# Altium PCB eRTM15_Baikal.PcbDoc (part 1 of 7) (continued)
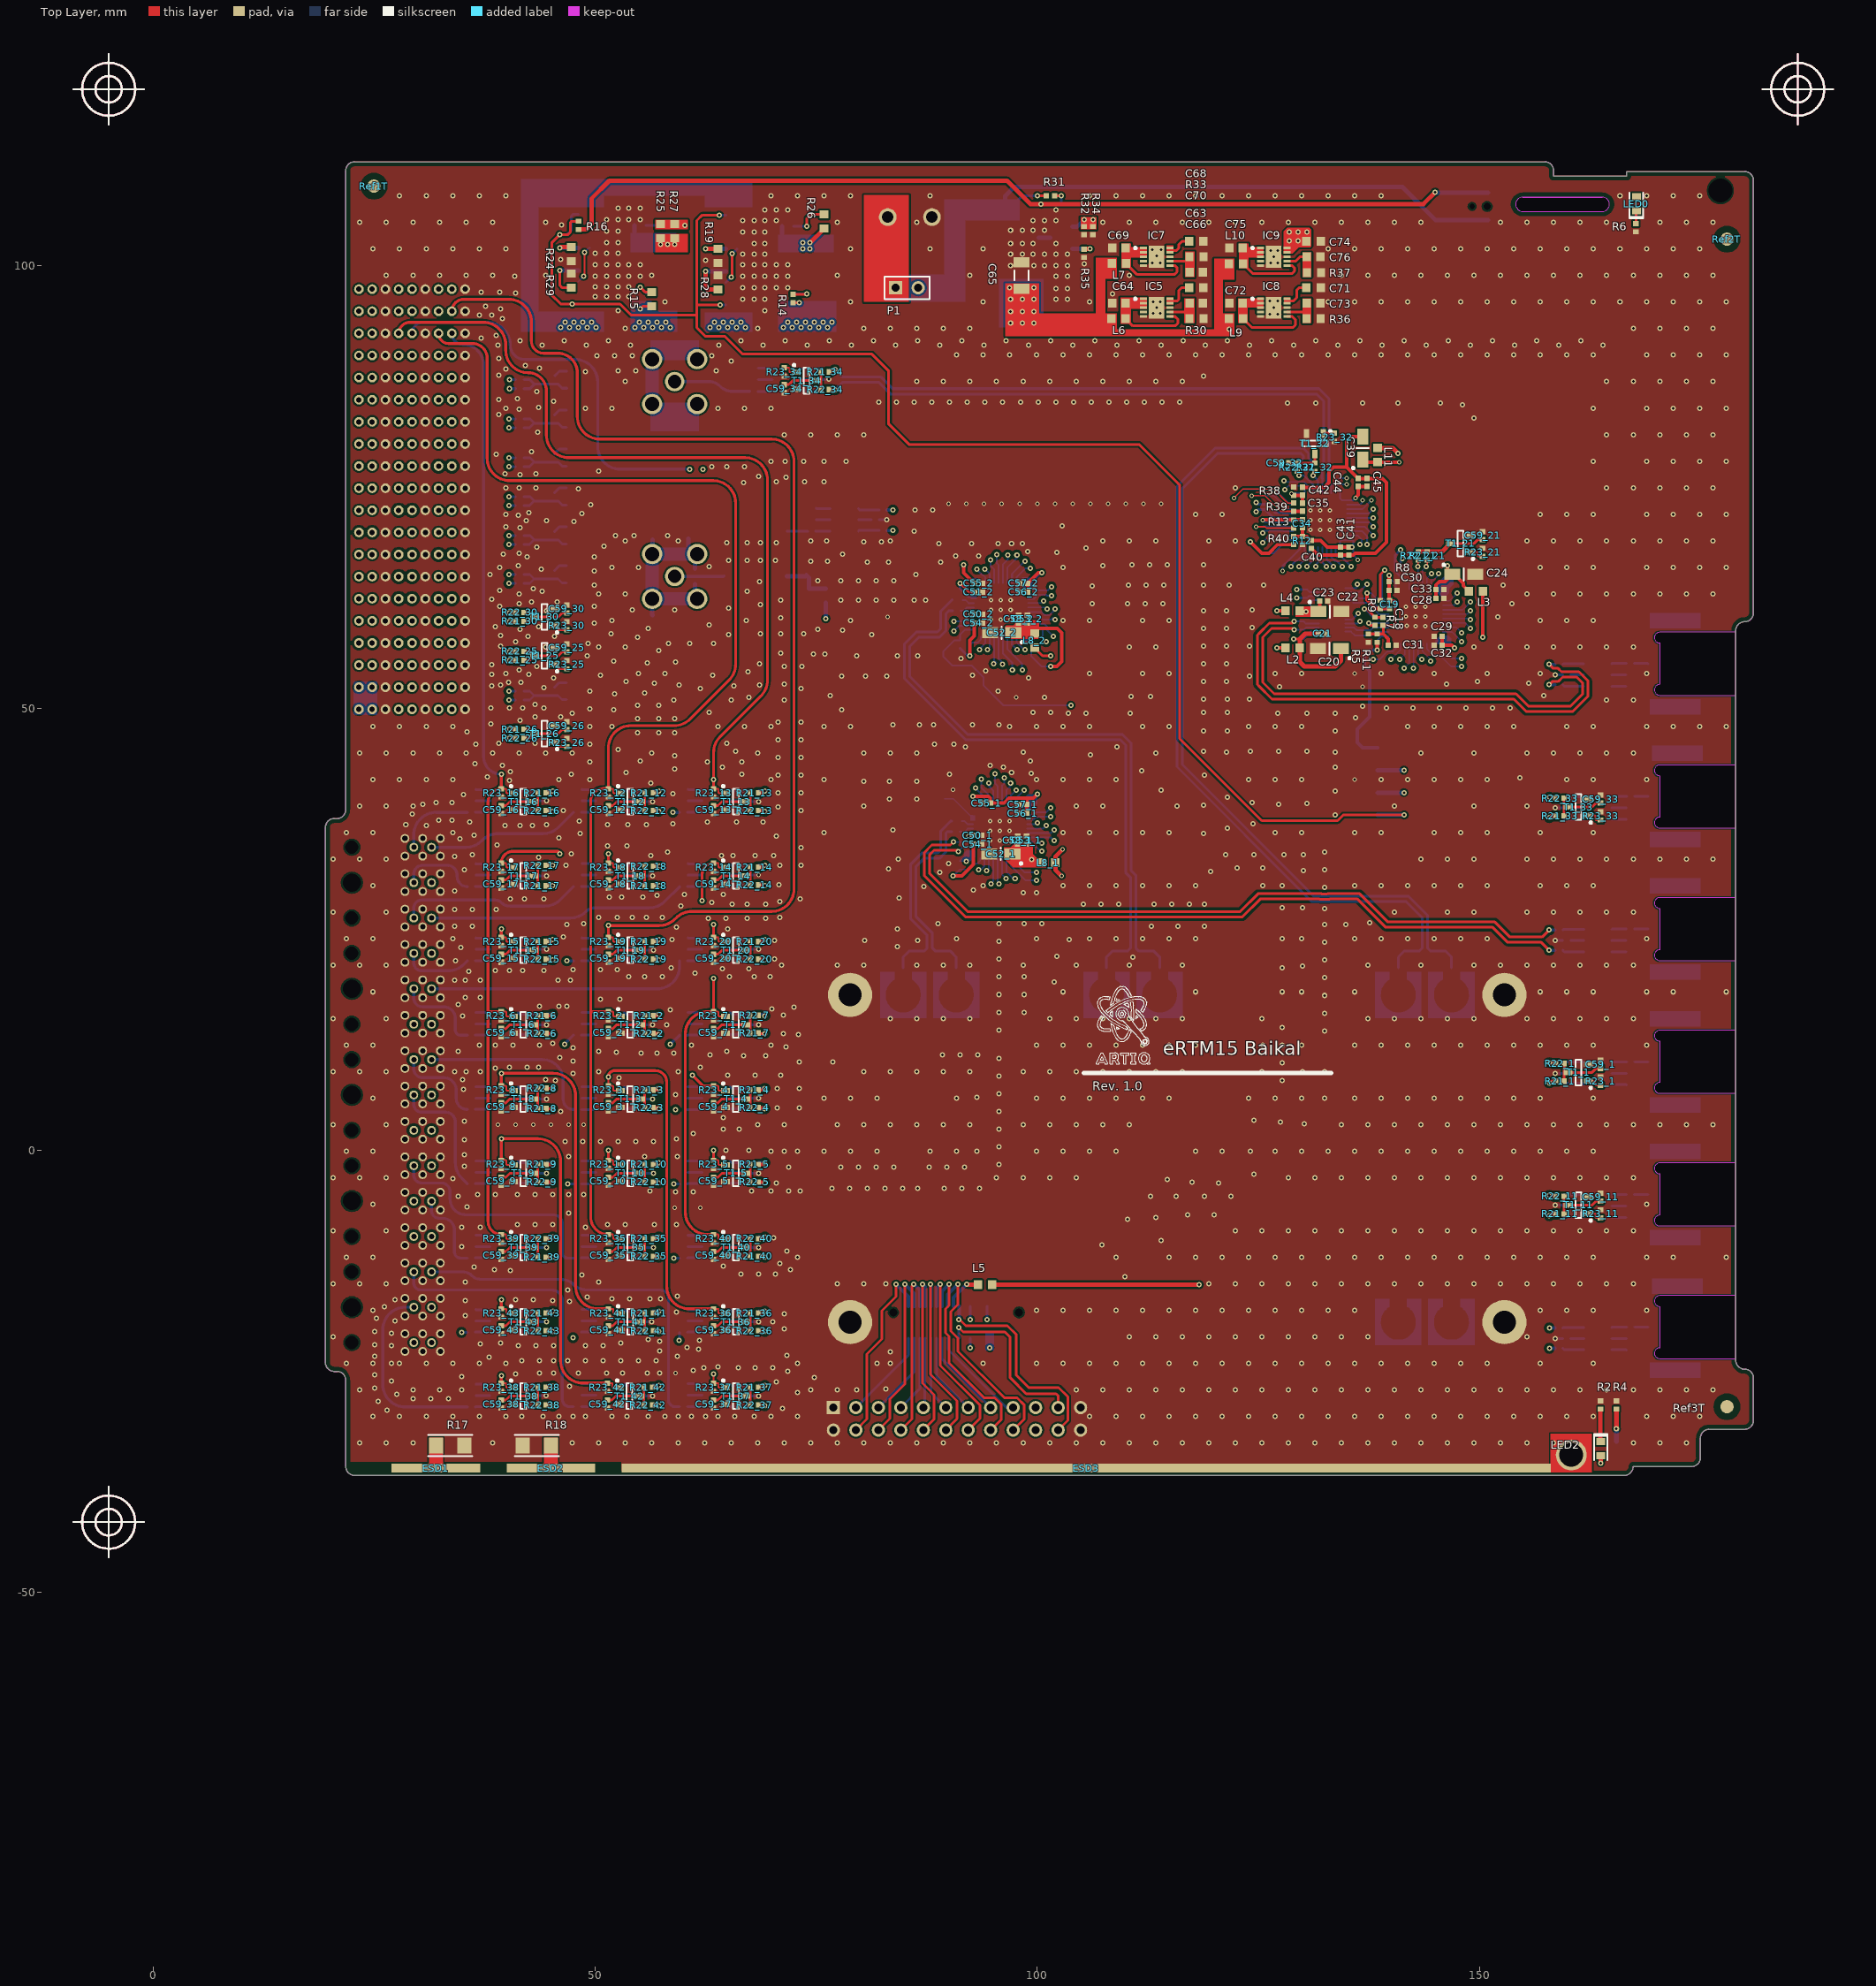
[diagram p0: Top Layer view]
## Design rules (kind name [scope] priority, off if disabled: settings) (continued)
RoomDefinition U_LvpeclTermWithCtrl37 [InComponentClass('U_LvpeclTermWithCtrl37')] p60: confinementstyle=ConfineIn formatcopy=FALSE lockcomponents=FALSE outline 62.9,-29.7 69,-29.7 69,-25.8 62.9,-25.8
RoomDefinition U_LvpeclTermWithCtrl36 [InComponentClass('U_LvpeclTermWithCtrl36')] p61: confinementstyle=ConfineIn formatcopy=FALSE lockcomponents=FALSE outline 62.9,-21.3 69,-21.3 69,-17.4 62.9,-17.4
RoomDefinition U_LvpeclTermWithCtrl35 [InComponentClass('U_LvpeclTermWithCtrl35')] p62: confinementstyle=ConfineIn formatcopy=FALSE lockcomponents=FALSE outline 51,-12.9 57.1,-12.9 57.1,-9 51,-9
RoomDefinition U_LvpeclTermWithCtrl34 [InComponentClass('U_LvpeclTermWithCtrl34')] p63: confinementstyle=ConfineIn formatcopy=FALSE lockcomponents=FALSE outline 70.9,85.1 77,85.1 77,89 70.9,89
RoomDefinition U_LvpeclTermWithCtrl33 [InComponentClass('U_LvpeclTermWithCtrl33')] p64: confinementstyle=ConfineIn formatcopy=FALSE lockcomponents=FALSE outline 164.2,40.7 158.1,40.7 158.1,36.8 164.2,36.8
RoomDefinition U_LvpeclTermWithCtrl32 [InComponentClass('U_LvpeclTermWithCtrl32')] p65: confinementstyle=ConfineIn formatcopy=FALSE lockcomponents=FALSE outline 128.5,82.33 128.5,76.23 132.4,76.23 132.4,82.33
RoomDefinition U_LvpeclTermWithCtrl25 [InComponentClass('U_LvpeclTermWithCtrl25')] p66: confinementstyle=ConfineIn formatcopy=TRUE lockcomponents=FALSE outline 47.3,57.8 39.5,57.8 39.5,53.9 47.3,53.9
RoomDefinition U_LvpeclTermWithCtrl21 [InComponentClass('U_LvpeclTermWithCtrl21')] p67: confinementstyle=ConfineIn formatcopy=FALSE lockcomponents=FALSE outline 150.87,70.5 144.77,70.5 144.77,66.6 150.87,66.6
RoomDefinition U_LvpeclTermWithCtrl20 [InComponentClass('U_LvpeclTermWithCtrl20')] p68: confinementstyle=ConfineIn formatcopy=FALSE lockcomponents=FALSE outline 62.9,20.7 69,20.7 69,24.6 62.9,24.6
RoomDefinition U_LvpeclTermWithCtrl19 [InComponentClass('U_LvpeclTermWithCtrl19')] p69: confinementstyle=ConfineIn formatcopy=FALSE lockcomponents=FALSE outline 51,20.7 57.1,20.7 57.1,24.6 51,24.6
RoomDefinition U_LvpeclTermWithCtrl18 [InComponentClass('U_LvpeclTermWithCtrl18')] p70: confinementstyle=ConfineIn formatcopy=FALSE lockcomponents=FALSE outline 51,29.1 57.1,29.1 57.1,33 51,33
RoomDefinition U_LvpeclTermWithCtrl17 [InComponentClass('U_LvpeclTermWithCtrl17')] p71: confinementstyle=ConfineIn formatcopy=FALSE lockcomponents=FALSE outline 38.9,29.1 45,29.1 45,33 38.9,33
RoomDefinition U_LvpeclTermWithCtrl16 [InComponentClass('U_LvpeclTermWithCtrl16')] p72: confinementstyle=ConfineIn formatcopy=FALSE lockcomponents=FALSE outline 38.9,37.5 45,37.5 45,41.4 38.9,41.4
RoomDefinition U_LvpeclTermWithCtrl15 [InComponentClass('U_LvpeclTermWithCtrl15')] p73: confinementstyle=ConfineIn formatcopy=FALSE lockcomponents=FALSE outline 38.9,20.7 45,20.7 45,24.6 38.9,24.6
RoomDefinition U_LvpeclTermWithCtrl14 [InComponentClass('U_LvpeclTermWithCtrl14')] p74: confinementstyle=ConfineIn formatcopy=FALSE lockcomponents=FALSE outline 62.9,29.1 69,29.1 69,33 62.9,33
RoomDefinition U_LvpeclTermWithCtrl13 [InComponentClass('U_LvpeclTermWithCtrl13')] p75: confinementstyle=ConfineIn formatcopy=FALSE lockcomponents=FALSE outline 62.9,37.5 69,37.5 69,41.4 62.9,41.4
RoomDefinition U_LvpeclTermWithCtrl12 [InComponentClass('U_LvpeclTermWithCtrl12')] p76: confinementstyle=ConfineIn formatcopy=FALSE lockcomponents=FALSE outline 51,37.5 57.1,37.5 57.1,41.4 51,41.4
RoomDefinition U_LvpeclTermWithCtrl11 [InComponentClass('U_LvpeclTermWithCtrl11')] p77: confinementstyle=ConfineIn formatcopy=FALSE lockcomponents=FALSE outline 164.2,-4.3 158.1,-4.3 158.1,-8.2 164.2,-8.2
RoomDefinition U_LvpeclTermWithCtrl10 [InComponentClass('U_LvpeclTermWithCtrl10')] p78: confinementstyle=ConfineIn formatcopy=FALSE lockcomponents=FALSE outline 51,-4.5 57.1,-4.5 57.1,-0.6 51,-0.6
RoomDefinition U_LvpeclTermWithCtrl9 [InComponentClass('U_LvpeclTermWithCtrl9')] p79: confinementstyle=ConfineIn formatcopy=FALSE lockcomponents=FALSE outline 38.9,-4.5 45,-4.5 45,-0.6 38.9,-0.6
RoomDefinition U_LvpeclTermWithCtrl8 [InComponentClass('U_LvpeclTermWithCtrl8')] p80: confinementstyle=ConfineIn formatcopy=FALSE lockcomponents=FALSE outline 38.9,3.9 45,3.9 45,7.8 38.9,7.8
RoomDefinition U_LvpeclTermWithCtrl7 [InComponentClass('U_LvpeclTermWithCtrl7')] p81: confinementstyle=ConfineIn formatcopy=FALSE lockcomponents=FALSE outline 62.9,12.3 69,12.3 69,16.2 62.9,16.2
RoomDefinition U_LvpeclTermWithCtrl6 [InComponentClass('U_LvpeclTermWithCtrl6')] p82: confinementstyle=ConfineIn formatcopy=FALSE lockcomponents=FALSE outline 38.9,12.3 45,12.3 45,16.2 38.9,16.2
RoomDefinition U_LvpeclTermWithCtrl5 [InComponentClass('U_LvpeclTermWithCtrl5')] p83: confinementstyle=ConfineIn formatcopy=FALSE lockcomponents=FALSE outline 62.9,-4.5 69,-4.5 69,-0.6 62.9,-0.6
RoomDefinition U_LvpeclTermWithCtrl4 [InComponentClass('U_LvpeclTermWithCtrl4')] p84: confinementstyle=ConfineIn formatcopy=FALSE lockcomponents=FALSE outline 62.9,3.9 69,3.9 69,7.8 62.9,7.8
RoomDefinition U_LvpeclTermWithCtrl3 [InComponentClass('U_LvpeclTermWithCtrl3')] p85: confinementstyle=ConfineIn formatcopy=FALSE lockcomponents=FALSE outline 51,3.9 57.1,3.9 57.1,7.8 51,7.8
RoomDefinition U_LvpeclTermWithCtrl2 [InComponentClass('U_LvpeclTermWithCtrl2')] p86: confinementstyle=ConfineIn formatcopy=FALSE lockcomponents=FALSE outline 51,12.3 57.1,12.3 57.1,16.2 51,16.2
RoomDefinition U_LvpeclTermWithCtrl1 [InComponentClass('U_LvpeclTermWithCtrl1')] p87: confinementstyle=ConfineIn formatcopy=FALSE lockcomponents=FALSE outline 164.2,10.7 158.1,10.7 158.1,6.8 164.2,6.8
RoomDefinition U_BackPlane_connectors [InComponentClass('U_BackPlane_connectors')] p88: confinementstyle=ConfineIn formatcopy=TRUE lockcomponents=TRUE outline 9.1,-24.3 36.4,-24.3 36.4,99.3 9.1,99.3
RoutingVias [All] p1: holewidth=0.3 width=0.7 viastyle="Through Hole" minholewidth=0.3 minwidth=0.5 maxholewidth=5 maxwidth=5
SMDNeckDown [All] p1: percent=100.000
SMDToCorner [All] p1: distance=78740
SMDToPlane [All] p1: distance=0
SilkToSilkClearance [All] p1: silktosilkclearance=0
SilkToSolderMaskClearance SilkscreenOverComponentPads [IsPad] p1: minsilkscreentomaskgap=0.05 clearancetoexposedcopper=TRUE
SolderMaskExpansion SolderMaskExpansion_GND_VIA [IsVia AND InNet('GND')] p1: expansion=-0.1
SolderMaskExpansion [All] p2: expansion=0.05
UnRoutedNet [not InNet('RF_ZE')] p1:
Width 50_Ohm_Lines [InNetClass('50_Ohms')] p1: maxlimit=0.33 minlimit=0.17 preferedwidth=0.17 toplayer_minwidth=0.33 toplayer_prefwidth=0.33 midlayer1_maxwidth=0.17 midlayer3_maxwidth=0.17 midlayer4_maxwidth=0.17 midlayer6_maxwidth=0.17 bottomlayer_minwidth=0.33 bottomlayer_prefwidth=0.33 minimp=49.000000 maximp=51.000000 favimp=50.000000
Width CLK_DiffPairs_Width [(InDifferentialPairClass('All Differential Pairs'))] p2: maxlimit=0.29 minlimit=0.17 preferedwidth=0.17 toplayer_prefwidth=0.29 midlayer1_maxwidth=0.17 midlayer3_maxwidth=0.17 midlayer4_maxwidth=0.17 midlayer6_maxwidth=0.17 bottomlayer_prefwidth=0.29 minimp=50.000000 maximp=50.000000 favimp=50.000000 checkconnectedcopper=TRUE
Width [All] p3: maxlimit=30 minlimit=0.16 preferedwidth=0.3 midlayer6_maxwidth=1.5 minimp=50.000000 maximp=50.000000 favimp=50.000000
17 further rules are at their usual default settings.

## Classes and differential pairs
channel class Signal_distribution: U_HF_CLK_Distribution U_LO_distribution
channel class LvpeclTermWithCtrl: U_LvpeclTermWithCtrl1 U_LvpeclTermWithCtrl2 U_LvpeclTermWithCtrl3 U_LvpeclTermWithCtrl4 U_LvpeclTermWithCtrl5 U_LvpeclTermWithCtrl6 U_LvpeclTermWithCtrl7 U_LvpeclTermWithCtrl8 U_LvpeclTermWithCtrl9 U_LvpeclTermWithCtrl10 U_LvpeclTermWithCtrl11 U_LvpeclTermWithCtrl12 U_LvpeclTermWithCtrl13 U_LvpeclTermWithCtrl14 U_LvpeclTermWithCtrl15 U_LvpeclTermWithCtrl16 U_LvpeclTermWithCtrl17 U_LvpeclTermWithCtrl18 U_LvpeclTermWithCtrl19 U_LvpeclTermWithCtrl20 U_LvpeclTermWithCtrl21 U_LvpeclTermWithCtrl22 U_LvpeclTermWithCtrl23 U_LvpeclTermWithCtrl24 U_LvpeclTermWithCtrl25 U_LvpeclTermWithCtrl26 U_LvpeclTermWithCtrl27 U_LvpeclTermWithCtrl28 U_LvpeclTermWithCtrl29 U_LvpeclTermWithCtrl30 U_LvpeclTermWithCtrl31 U_LvpeclTermWithCtrl32 U_LvpeclTermWithCtrl33 U_LvpeclTermWithCtrl34 U_LvpeclTermWithCtrl35 U_LvpeclTermWithCtrl36 U_LvpeclTermWithCtrl37 U_LvpeclTermWithCtrl38 U_LvpeclTermWithCtrl39 U_LvpeclTermWithCtrl40 U_LvpeclTermWithCtrl41 U_LvpeclTermWithCtrl42 U_LvpeclTermWithCtrl43
channel class Diff2SE: U_Diff2SE1 U_Diff2SE2 U_Diff2SE3 U_Diff2SE4 U_Diff2SE5 U_Diff2SE6 U_Diff2SE7 U_Diff2SE8 U_Diff2SE9 U_Diff2SE10 U_Diff2SE11 U_Diff2SE12 U_Diff2SE13 U_Diff2SE14 U_Diff2SE15 U_Diff2SE16 U_Diff2SE17 U_Diff2SE18 U_Diff2SE19 U_Diff2SE20 U_Diff2SE21 U_Diff2SE22 U_Diff2SE23 U_Diff2SE24 U_Diff2SE25 U_Diff2SE26 U_Diff2SE27 U_Diff2SE28 U_Diff2SE29 U_Diff2SE30 U_Diff2SE31 U_Diff2SE32 U_Diff2SE33 U_Diff2SE34 U_Diff2SE35
component class U_Reference_distribution: C18 C19 C20 C21 C22 C23 C24 C28 C29 C30 C31 C32 C33 C34 C35 C36 C37 C38 C39 C40 C41 C42 C43 C44 C45 C98 C99 C100 IC1 IC2 J8 L2 L3 L4 L11 MSBOX2 R3 R5 R7 R8 R9 R10 R11 R12 R13 R38 R39 R40 R48 U1 U2
component class U_PowerSupply: C63 C64 C65 C66 C67 C68 C69 C70 C71 C72 C73 C74 C75 C76 IC5 IC6 IC7 IC8 IC9 J17 L6 L7 L9 L10 LED0 LED1 LED2 P1 R1 R2 R4 R6 R30 R31 R32 R33 R34 R35 R36 R37 S1
component class U_PowerSupply4ClkMezzanine: C26 C27 C46 C47 C48 C49 C60 C61 C62 IC3 IC4 R14 R15 R16 R19 R24 R25 R26 R27 R28 R29
component class U_OnBoardOscillator: C14 C15 C16 C95 C96 C97 J7 L1 OSC1 R47
component class U_LvpeclTermWithCtrl43: C59_43 R21_43 R22_43 R23_43 T1_43
component class U_LvpeclTermWithCtrl42: C59_42 R21_42 R22_42 R23_42 T1_42
component class U_LvpeclTermWithCtrl41: C59_41 R21_41 R22_41 R23_41 T1_41
component class U_LvpeclTermWithCtrl40: C59_40 R21_40 R22_40 R23_40 T1_40
component class U_LvpeclTermWithCtrl39: C59_39 R21_39 R22_39 R23_39 T1_39
component class U_LvpeclTermWithCtrl38: C59_38 R21_38 R22_38 R23_38 T1_38
component class U_LvpeclTermWithCtrl37: C59_37 R21_37 R22_37 R23_37 T1_37
component class U_LvpeclTermWithCtrl36: C59_36 R21_36 R22_36 R23_36 T1_36
component class U_LvpeclTermWithCtrl35: C59_35 R21_35 R22_35 R23_35 T1_35
component class U_LvpeclTermWithCtrl34: C59_34 R21_34 R22_34 R23_34 T1_34
component class U_LvpeclTermWithCtrl33: C59_33 R21_33 R22_33 R23_33 T1_33
component class U_LvpeclTermWithCtrl32: C59_32 R21_32 R22_32 R23_32 T1_32
component class U_LvpeclTermWithCtrl31: C59_31 R21_31 R22_31 R23_31 T1_31
component class U_LvpeclTermWithCtrl30: C59_30 R21_30 R22_30 R23_30 T1_30
component class U_LvpeclTermWithCtrl29: C59_29 R21_29 R22_29 R23_29 T1_29
component class U_LvpeclTermWithCtrl28: C59_28 R21_28 R22_28 R23_28 T1_28
component class U_LvpeclTermWithCtrl27: C59_27 R21_27 R22_27 R23_27 T1_27
component class U_LvpeclTermWithCtrl26: C59_26 R21_26 R22_26 R23_26 T1_26
component class U_LvpeclTermWithCtrl25: C59_25 R21_25 R22_25 R23_25 T1_25
component class U_LvpeclTermWithCtrl24: C59_24 R21_24 R22_24 R23_24 T1_24
component class U_LvpeclTermWithCtrl23: C59_23 R21_23 R22_23 R23_23 T1_23
component class U_LvpeclTermWithCtrl22: C59_22 R21_22 R22_22 R23_22 T1_22
component class U_LvpeclTermWithCtrl21: C59_21 R21_21 R22_21 R23_21 T1_21
component class U_LvpeclTermWithCtrl20: C59_20 R21_20 R22_20 R23_20 T1_20
component class U_LvpeclTermWithCtrl19: C59_19 R21_19 R22_19 R23_19 T1_19
component class U_LvpeclTermWithCtrl18: C59_18 R21_18 R22_18 R23_18 T1_18
component class U_LvpeclTermWithCtrl17: C59_17 R21_17 R22_17 R23_17 T1_17
component class U_LvpeclTermWithCtrl16: C59_16 R21_16 R22_16 R23_16 T1_16
component class U_LvpeclTermWithCtrl15: C59_15 R21_15 R22_15 R23_15 T1_15
component class U_LvpeclTermWithCtrl14: C59_14 R21_14 R22_14 R23_14 T1_14
component class U_LvpeclTermWithCtrl13: C59_13 R21_13 R22_13 R23_13 T1_13
component class U_LvpeclTermWithCtrl12: C59_12 R21_12 R22_12 R23_12 T1_12
component class U_LvpeclTermWithCtrl11: C59_11 R21_11 R22_11 R23_11 T1_11
component class U_LvpeclTermWithCtrl10: C59_10 R21_10 R22_10 R23_10 T1_10
component class U_LvpeclTermWithCtrl9: C59_9 R21_9 R22_9 R23_9 T1_9
component class U_LvpeclTermWithCtrl8: C59_8 R21_8 R22_8 R23_8 T1_8
component class U_LvpeclTermWithCtrl7: C59_7 R21_7 R22_7 R23_7 T1_7
component class U_LvpeclTermWithCtrl6: C59_6 R21_6 R22_6 R23_6 T1_6
component class U_LvpeclTermWithCtrl5: C59_5 R21_5 R22_5 R23_5 T1_5
component class U_LvpeclTermWithCtrl4: C59_4 R21_4 R22_4 R23_4 T1_4
component class U_LvpeclTermWithCtrl3: C59_3 R21_3 R22_3 R23_3 T1_3
component class U_LvpeclTermWithCtrl2: C59_2 R21_2 R22_2 R23_2 T1_2
component class U_LvpeclTermWithCtrl1: C59_1 R21_1 R22_1 R23_1 T1_1
component class U_LO_distribution: C11_2 C25_2 C50_2 C51 C51_2 C52_2 C53_2 C54_2 C55 C55_2 C56_2 C57_2 C58_2 L8_2 M1_2 R20_2 U3_2
component class U_HF_CLK_Distribution: C11_1 C25_1 C50_1 C51_1 C52_1 C53_1 C54_1 C55_1 C56_1 C57_1 C58_1 L8_1 M1_1 R20_1 U3_1
component class U_FP_connectors: C1 C2 C3 C4 C5 C6 C77 C78 C79 C80 C81 C82 C83 C84 C85 C86 C87 C88 C89 C90 C91 C92 C93 C94 J1 J3 J4 J5 J6 J18 R41 R42 R43 R44 R45 R46
component class U_Diff2SE35: C7_35 C8_35 C9_35 C10_35 C12_35 C13_35 C17_35 R1_35 TR1_35
component class U_Diff2SE34: C7_34 C8_34 C9_34 C10_34 C12_34 C13_34 C17_34 R1_34 TR1_34
component class U_Diff2SE33: C7_33 C8_33 C9_33 C10_33 C12_33 C13_33 C17_33 R1_33 TR1_33
component class U_Diff2SE32: C7_32 C8_32 C9_32 C10_32 C12_32 C13_32 C17_32 R1_32 TR1_32
component class U_Diff2SE31: C7_31 C8_31 C9_31 C10_31 C12_31 C13_31 C17_31 R1_31 TR1_31
component class U_Diff2SE30: C7_30 C8_30 C9_30 C10_30 C12_30 C13_30 C17_30 R1_30 TR1_30
component class U_Diff2SE29: C7_29 C8_29 C9_29 C10_29 C12_29 C13_29 C17_29 R1_29 TR1_29
component class U_Diff2SE28: C7_28 C8_28 C9_28 C10_28 C12_28 C13_28 C17_28 R1_28 TR1_28
component class U_Diff2SE27: C7_27 C8_27 C9_27 C10_27 C12_27 C13_27 C17_27 R1_27 TR1_27
component class U_Diff2SE26: C7_26 C8_26 C9_26 C10_26 C12_26 C13_26 C17_26 R1_26 TR1_26
component class U_Diff2SE25: C7_25 C8_25 C9_25 C10_25 C12_25 C13_25 C17_25 R1_25 TR1_25
component class U_Diff2SE24: C7_24 C8_24 C9_24 C10_24 C12_24 C13_24 C17_24 R1_24 TR1_24
component class U_Diff2SE23: C7_23 C8_23 C9_23 C10_23 C12_23 C13_23 C17_23 R1_23 TR1_23
component class U_Diff2SE22: C7_22 C8_22 C9_22 C10_22 C12_22 C13_22 C17_22 R1_22 TR1_22
component class U_Diff2SE21: C7_21 C8_21 C9_21 C10_21 C12_21 C13_21 C17_21 R1_21 TR1_21
component class U_Diff2SE20: C7_20 C8_20 C9_20 C10_20 C12_20 C13_20 C17_20 R1_20 TR1_20
component class U_Diff2SE19: C7_19 C8_19 C9_19 C10_19 C12_19 C13_19 C17_19 R1_19 TR1_19
component class U_Diff2SE18: C7_18 C8_18 C9_18 C10_18 C12_18 C13_18 C17_18 R1_18 TR1_18
component class U_Diff2SE17: C7_17 C8_17 C9_17 C10_17 C12_17 C13_17 C17_17 R1_17 TR1_17
component class U_Diff2SE16: C7_16 C8_16 C9_16 C10_16 C12_16 C13_16 C17_16 R1_16 TR1_16
component class U_Diff2SE15: C7_15 C8_15 C9_15 C10_15 C12_15 C13_15 C17_15 R1_15 TR1_15
component class U_Diff2SE14: C7_14 C8_14 C9_14 C10_14 C12_14 C13_14 C17_14 R1_14 TR1_14
component class U_Diff2SE13: C7_13 C8_13 C9_13 C10_13 C12_13 C13_13 C17_13 R1_13 TR1_13
component class U_Diff2SE12: C7_12 C8_12 C9_12 C10_12 C12_12 C13_12 C17_12 R1_12 TR1_12
component class U_Diff2SE11: C7_11 C8_11 C9_11 C10_11 C12_11 C13_11 C17_11 R1_11 TR1_11
component class U_Diff2SE10: C7_10 C8_10 C9_10 C10_10 C12_10 C13_10 C17_10 R1_10 TR1_10
component class U_Diff2SE9: C7_9 C8_9 C9_9 C10_9 C12_9 C13_9 C17_9 R1_9 TR1_9
component class U_Diff2SE8: C7_8 C8_8 C9_8 C10_8 C12_8 C13_8 C17_8 R1_8 TR1_8
component class U_Diff2SE7: C7_7 C8_7 C9_7 C10_7 C12_7 C13_7 C17_7 R1_7 TR1_7
component class U_Diff2SE6: C7_6 C8_6 C9_6 C10_6 C12_6 C13_6 C17_6 R1_6 TR1_6
component class U_Diff2SE5: C7_5 C8_5 C9_5 C10_5 C12_5 C13_5 C17_5 R1_5 TR1_5
component class U_Diff2SE4: C7_4 C8_4 C9_4 C10_4 C12_4 C13_4 C17_4 R1_4 TR1_4
component class U_Diff2SE3: C7_3 C8_3 C9_3 C10_3 C12_3 C13_3 C17_3 R1_3 TR1_3
component class U_Diff2SE2: C7_2 C8_2 C9_2 C10_2 C12_2 C13_2 C17_2 R1_2 TR1_2
component class U_Diff2SE1: C7_1 C8_1 C9_1 C10_1 C12_1 C13_1 C17_1 R1_1 TR1_1
component class U_CTRL: SW1
component class U_CLK_Mezzanine: J2 J9 J10 J11 J12 J13 J14 J15 J16 L5 P2
polygon class ERNI-GND: "Top Layer-GND"
component class U_BackPlane_connectors: ESD1 ESD2 ESD3 J1_15 J2_15 J3_15 J4_15 J5_15 J30 J31 R17 R18 Ref1B Ref1T Ref2B Ref2T Ref3B Ref3T
net class LO[4..12]: LO4 LO5 LO6 LO7 LO8 LO9 LO10 LO11 LO12
net class REF[4..12]: REF4 REF5 REF6 REF7 REF8 REF9 REF10 REF11 REF12
net class EN[4..12]: EN4 EN5 EN6 EN7 EN8 EN9 EN10 EN11 EN12
net class HF_CLK[4..12]: HF_CLK4 HF_CLK5 HF_CLK6 HF_CLK7 HF_CLK8 HF_CLK9 HF_CLK10 HF_CLK11 HF_CLK12
net class 50_Ohms: HF_CLK4 HF_CLK5 HF_CLK6 HF_CLK7 HF_CLK8 HF_CLK9 HF_CLK10 HF_CLK11 HF_CLK12 LO4 LO5 LO6 LO7 LO8 LO9 LO10 LO11 LO12 REF4 REF5 REF6 REF7 REF8 REF9 REF10 REF11 REF12
differential pair SIG2: +SIG2_P -SIG2_N
differential pair REF2: +REF2_P -REF2_N
differential pair REF1: +REF1_P -REF1_N
differential pair Diff_13: +Diff_13_P -Diff_13_N
differential pair Diff_2: +Diff_2_P -Diff_2_N
differential pair CLK2: +CLK2_P -CLK2_N
differential pair CLK1: +CLK1_P -CLK1_N
differential pair RESERVED: +RESERVED_P -RESERVED_N
differential pair REF_LO_OUT: +REF_LO_OUT_P -REF_LO_OUT_N
differential pair REF_CLK_IN: +REF_CLK_IN_P -REF_CLK_IN_N
differential pair Q2_11: +Q2_11_P -Q2_11_N
differential pair Q2_11_2: +Q2_11_2_P -Q2_11_2_N
differential pair Q2_11_1: +Q2_11_1_P -Q2_11_1_N
differential pair Q2_10: +Q2_10_P -Q2_10_N
differential pair Q2_10_2: +Q2_10_2_P -Q2_10_2_N
differential pair Q2_10_1: +Q2_10_1_P -Q2_10_1_N
differential pair Q2_9: +Q2_9_P -Q2_9_N
differential pair Q2_9_2: +Q2_9_2_P -Q2_9_2_N
differential pair Q2_9_1: +Q2_9_1_P -Q2_9_1_N
differential pair Q2_8: +Q2_8_P -Q2_8_N
differential pair Q2_8_2: +Q2_8_2_P -Q2_8_2_N
differential pair Q2_8_1: +Q2_8_1_P -Q2_8_1_N
differential pair Q2_7: +Q2_7_P -Q2_7_N
differential pair Q2_7_2: +Q2_7_2_P -Q2_7_2_N
differential pair Q2_7_1: +Q2_7_1_P -Q2_7_1_N
differential pair Q2_6: +Q2_6_P -Q2_6_N
differential pair Q2_6_2: +Q2_6_2_P -Q2_6_2_N
differential pair Q2_6_1: +Q2_6_1_P -Q2_6_1_N
differential pair Q2_5: +Q2_5_P -Q2_5_N
differential pair Q2_5_2: +Q2_5_2_P -Q2_5_2_N
differential pair Q2_5_1: +Q2_5_1_P -Q2_5_1_N
differential pair Q2_4: +Q2_4_P -Q2_4_N
differential pair Q2_4_2: +Q2_4_2_P -Q2_4_2_N
differential pair Q2_4_1: +Q2_4_1_P -Q2_4_1_N
differential pair Q2_3: +Q2_3_P -Q2_3_N
differential pair Q2_3_2: +Q2_3_2_P -Q2_3_2_N
differential pair Q2_3_1: +Q2_3_1_P -Q2_3_1_N
differential pair Q2_2: +Q2_2_P -Q2_2_N
differential pair Q2_2_2: +Q2_2_2_P -Q2_2_2_N
differential pair Q2_2_1: +Q2_2_1_P -Q2_2_1_N
differential pair Q2_1: +Q2_1_P -Q2_1_N
differential pair Q2_1_2: +Q2_1_2_P -Q2_1_2_N
differential pair Q2_1_1: +Q2_1_1_P -Q2_1_1_N
differential pair Q2_0: +Q2_0_P -Q2_0_N
differential pair Q2_0_2: +Q2_0_2_P -Q2_0_2_N
differential pair Q2_0_1: +Q2_0_1_P -Q2_0_1_N
differential pair HF_CLK_OUT: +HF_CLK_OUT_P -HF_CLK_OUT_N
differential pair CLK14A: +CLK14A_P -CLK14A_N
differential pair CLK13A: +CLK13A_P -CLK13A_N
differential pair CLK12A: +CLK12A_P -CLK12A_N
differential pair CLK11A: +CLK11A_P -CLK11A_N
differential pair CLK10A: +CLK10A_P -CLK10A_N
differential pair CLK9A: +CLK9A_P -CLK9A_N
differential pair CLK8A: +CLK8A_P -CLK8A_N
differential pair CLK7A: +CLK7A_P -CLK7A_N
differential pair CLK6A: +CLK6A_P -CLK6A_N
differential pair CLK5A: +CLK5A_P -CLK5A_N
differential pair CLK4A: +CLK4A_P -CLK4A_N
differential pair Diff_25: +Diff_25_P -Diff_25_N

## Components (designator, comment, footprint, x,y, rotation, side; value= is the part's Value field where it differs from the comment)
C1 "1000pF" CAPC1005X55N 169.05,50.8 r0 bottom
C2 "1000pF" CAPC1005X55N 169.1,35.8 r0 bottom
C3 "1000pF" CAPC1005X55N 169.05,20.8 r0 bottom
C4 "1000pF" CAPC1005X55N 169.05,5.8 r0 bottom
C5 "1000pF" CAPC1005X55N 169.15,-9.2 r0 bottom
C6 "1000pF" CAPC1005X55N 169.1,-24.2 r0 bottom
C7_1 "1nF" CAPC1005X55N 159,7.6 r0 bottom (schematic designator C7)
C7_2 "1nF" CAPC1005X55N 158.995,22.6 r0 bottom (schematic designator C7)
C7_3 "1nF" CAPC1005X55N 44.105,15.4 r180 bottom (schematic designator C7)
C7_4 "1nF" CAPC1005X55N 56.105,15.4 r180 bottom (schematic designator C7)
C7_5 "1nF" CAPC1005X55N 68.105,15.4 r180 bottom (schematic designator C7)
C7_6 "1nF" CAPC1005X55N 56.105,7 r180 bottom (schematic designator C7)
C7_7 "1nF" CAPC1005X55N 44.105,7 r180 bottom (schematic designator C7)
C7_8 "1nF" CAPC1005X55N 68.105,7 r180 bottom (schematic designator C7)
C7_9 "1nF" CAPC1005X55N 44.105,-1.4 r180 bottom (schematic designator C7)
C7_10 "1nF" CAPC1005X55N 68.105,-1.4 r180 bottom (schematic designator C7)
C7_11 "1nF" CAPC1005X55N 56.105,-1.4 r180 bottom (schematic designator C7)
C7_12 "1nF" CAPC1005X55N 158.995,-7.4 r0 bottom (schematic designator C7)
C7_13 "1nF" CAPC1005X55N 159,-22.4 r0 bottom (schematic designator C7)
C7_14 "1nF" CAPC1005X55N 44.105,40.6 r180 bottom (schematic designator C7)
C7_15 "1nF" CAPC1005X55N 56.105,40.6 r180 bottom (schematic designator C7)
C7_16 "1nF" CAPC1005X55N 44.105,32.2 r180 bottom (schematic designator C7)
C7_17 "1nF" CAPC1005X55N 68.105,40.6 r180 bottom (schematic designator C7)
C7_18 "1nF" CAPC1005X55N 56.05,32.2 r180 bottom (schematic designator C7)
C7_19 "1nF" CAPC1005X55N 68.105,32.2 r180 bottom (schematic designator C7)
C7_20 "1nF" CAPC1005X55N 56.105,23.8 r180 bottom (schematic designator C7)
C7_21 "1nF" CAPC1005X55N 44.105,23.8 r180 bottom (schematic designator C7)
C7_22 "1nF" CAPC1005X55N 68.105,23.8 r180 bottom (schematic designator C7)
C7_23 "1nF" CAPC1005X55N 159,37.6 r0 bottom (schematic designator C7)
C7_24 "1nF" CAPC1005X55N 82.59,72.37 r180 bottom (schematic designator C7)
C7_25 "1nF" CAPC1005X55N 158.99,52.63 r0 bottom (schematic designator C7)
C7_26 "1nF" CAPC1005X55N 76.03,88.2 r180 bottom (schematic designator C7)
C7_27 "1nF" CAPC1005X55N 44.105,-9.8 r180 bottom (schematic designator C7)
C7_28 "1nF" CAPC1005X55N 56.105,-9.8 r180 bottom (schematic designator C7)
C7_29 "1nF" CAPC1005X55N 68.105,-9.8 r180 bottom (schematic designator C7)
C7_30 "1nF" CAPC1005X55N 68.105,-18.2 r180 bottom (schematic designator C7)
C7_31 "1nF" CAPC1005X55N 56.105,-18.2 r180 bottom (schematic designator C7)
C7_32 "1nF" CAPC1005X55N 68.105,-26.6 r180 bottom (schematic designator C7)
C7_33 "1nF" CAPC1005X55N 56.105,-26.6 r180 bottom (schematic designator C7)
C7_34 "1nF" CAPC1005X55N 44.11,-26.63 r180 bottom (schematic designator C7)
C7_35 "1nF" CAPC1005X55N 44.105,-18.2 r180 bottom (schematic designator C7)
C8_1 "CAP 0.5pF 10V 0402(1005)" CAPC0402(1005)60_M 160.4,7 r90 bottom value=0.5pF (schematic designator C8)
C8_2 "CAP 0.5pF 10V 0402(1005)" CAPC0402(1005)60_M 160.395,22 r90 bottom value=0.5pF (schematic designator C8)
C8_3 "CAP 0.5pF 10V 0402(1005)" CAPC0402(1005)60_M 42.705,16 r270 bottom value=0.5pF (schematic designator C8)
C8_4 "CAP 0.5pF 10V 0402(1005)" CAPC0402(1005)60_M 54.705,16 r270 bottom value=0.5pF (schematic designator C8)
C8_5 "CAP 0.5pF 10V 0402(1005)" CAPC0402(1005)60_M 66.705,16 r270 bottom value=0.5pF (schematic designator C8)
C8_6 "CAP 0.5pF 10V 0402(1005)" CAPC0402(1005)60_M 54.705,7.6 r270 bottom value=0.5pF (schematic designator C8)
C8_7 "CAP 0.5pF 10V 0402(1005)" CAPC0402(1005)60_M 42.705,7.6 r270 bottom value=0.5pF (schematic designator C8)
C8_8 "CAP 0.5pF 10V 0402(1005)" CAPC0402(1005)60_M 66.705,7.6 r270 bottom value=0.5pF (schematic designator C8)
C8_9 "CAP 0.5pF 10V 0402(1005)" CAPC0402(1005)60_M 42.705,-0.8 r270 bottom value=0.5pF (schematic designator C8)
C8_10 "CAP 0.5pF 10V 0402(1005)" CAPC0402(1005)60_M 66.705,-0.8 r270 bottom value=0.5pF (schematic designator C8)
C8_11 "CAP 0.5pF 10V 0402(1005)" CAPC0402(1005)60_M 54.705,-0.8 r270 bottom value=0.5pF (schematic designator C8)
C8_12 "CAP 0.5pF 10V 0402(1005)" CAPC0402(1005)60_M 160.395,-8 r90 bottom value=0.5pF (schematic designator C8)
C8_13 "CAP 0.5pF 10V 0402(1005)" CAPC0402(1005)60_M 160.4,-23 r90 bottom value=0.5pF (schematic designator C8)
C8_14 "CAP 0.5pF 10V 0402(1005)" CAPC0402(1005)60_M 42.705,41.2 r270 bottom value=0.5pF (schematic designator C8)
C8_15 "CAP 0.5pF 10V 0402(1005)" CAPC0402(1005)60_M 54.705,41.2 r270 bottom value=0.5pF (schematic designator C8)
C8_16 "CAP 0.5pF 10V 0402(1005)" CAPC0402(1005)60_M 42.705,32.8 r270 bottom value=0.5pF (schematic designator C8)
C8_17 "CAP 0.5pF 10V 0402(1005)" CAPC0402(1005)60_M 66.705,41.2 r270 bottom value=0.5pF (schematic designator C8)
C8_18 "CAP 0.5pF 10V 0402(1005)" CAPC0402(1005)60_M 54.705,32.8 r270 bottom value=0.5pF (schematic designator C8)
C8_19 "CAP 0.5pF 10V 0402(1005)" CAPC0402(1005)60_M 66.705,32.8 r270 bottom value=0.5pF (schematic designator C8)
C8_20 "CAP 0.5pF 10V 0402(1005)" CAPC0402(1005)60_M 54.705,24.4 r270 bottom value=0.5pF (schematic designator C8)
C8_21 "CAP 0.5pF 10V 0402(1005)" CAPC0402(1005)60_M 42.705,24.4 r270 bottom value=0.5pF (schematic designator C8)
C8_22 "CAP 0.5pF 10V 0402(1005)" CAPC0402(1005)60_M 66.705,24.4 r270 bottom value=0.5pF (schematic designator C8)
C8_23 "CAP 0.5pF 10V 0402(1005)" CAPC0402(1005)60_M 160.4,37 r90 bottom value=0.5pF (schematic designator C8)
C8_24 "CAP 0.5pF 10V 0402(1005)" CAPC0402(1005)60_M 81.19,72.97 r270 bottom value=0.5pF (schematic designator C8)
C8_25 "CAP 0.5pF 10V 0402(1005)" CAPC0402(1005)60_M 160.39,52.03 r90 bottom value=0.5pF (schematic designator C8)
C8_26 "CAP 0.5pF 10V 0402(1005)" CAPC0402(1005)60_M 74.63,88.8 r270 bottom value=0.5pF (schematic designator C8)
C8_27 "CAP 0.5pF 10V 0402(1005)" CAPC0402(1005)60_M 42.705,-9.2 r270 bottom value=0.5pF (schematic designator C8)
C8_28 "CAP 0.5pF 10V 0402(1005)" CAPC0402(1005)60_M 54.705,-9.2 r270 bottom value=0.5pF (schematic designator C8)
C8_29 "CAP 0.5pF 10V 0402(1005)" CAPC0402(1005)60_M 66.705,-9.2 r270 bottom value=0.5pF (schematic designator C8)
C8_30 "CAP 0.5pF 10V 0402(1005)" CAPC0402(1005)60_M 66.705,-17.6 r270 bottom value=0.5pF (schematic designator C8)
C8_31 "CAP 0.5pF 10V 0402(1005)" CAPC0402(1005)60_M 54.705,-17.6 r270 bottom value=0.5pF (schematic designator C8)
C8_32 "CAP 0.5pF 10V 0402(1005)" CAPC0402(1005)60_M 66.705,-26 r270 bottom value=0.5pF (schematic designator C8)
C8_33 "CAP 0.5pF 10V 0402(1005)" CAPC0402(1005)60_M 54.705,-26 r270 bottom value=0.5pF (schematic designator C8)
C8_34 "CAP 0.5pF 10V 0402(1005)" CAPC0402(1005)60_M 42.71,-26.03 r270 bottom value=0.5pF (schematic designator C8)
C8_35 "CAP 0.5pF 10V 0402(1005)" CAPC0402(1005)60_M 42.705,-17.6 r270 bottom value=0.5pF (schematic designator C8)
C9_1 "100pF" CAPC1005X55N 159.9,8.7 r0 bottom (schematic designator C9)
C9_2 "100pF" CAPC1005X55N 159.895,23.7 r0 bottom (schematic designator C9)
C9_3 "100pF" CAPC1005X55N 43.205,14.3 r180 bottom (schematic designator C9)
C9_4 "100pF" CAPC1005X55N 55.205,14.3 r180 bottom (schematic designator C9)
C9_5 "100pF" CAPC1005X55N 67.205,14.3 r180 bottom (schematic designator C9)
C9_6 "100pF" CAPC1005X55N 55.205,5.9 r180 bottom (schematic designator C9)
C9_7 "100pF" CAPC1005X55N 43.205,5.9 r180 bottom (schematic designator C9)
C9_8 "100pF" CAPC1005X55N 67.205,5.9 r180 bottom (schematic designator C9)
C9_9 "100pF" CAPC1005X55N 43.205,-2.5 r180 bottom (schematic designator C9)
C9_10 "100pF" CAPC1005X55N 67.205,-2.5 r180 bottom (schematic designator C9)
C9_11 "100pF" CAPC1005X55N 55.205,-2.5 r180 bottom (schematic designator C9)
C9_12 "100pF" CAPC1005X55N 159.895,-6.3 r0 bottom (schematic designator C9)
C9_13 "100pF" CAPC1005X55N 159.9,-21.3 r0 bottom (schematic designator C9)
C9_14 "100pF" CAPC1005X55N 43.205,39.5 r180 bottom (schematic designator C9)
C9_15 "100pF" CAPC1005X55N 55.205,39.5 r180 bottom (schematic designator C9)
C9_16 "100pF" CAPC1005X55N 43.205,31.1 r180 bottom (schematic designator C9)
C9_17 "100pF" CAPC1005X55N 67.205,39.5 r180 bottom (schematic designator C9)
C9_18 "100pF" CAPC1005X55N 55.205,31.1 r180 bottom (schematic designator C9)
C9_19 "100pF" CAPC1005X55N 67.205,31.1 r180 bottom (schematic designator C9)
C9_20 "100pF" CAPC1005X55N 55.205,22.7 r180 bottom (schematic designator C9)
C9_21 "100pF" CAPC1005X55N 43.205,22.7 r180 bottom (schematic designator C9)
C9_22 "100pF" CAPC1005X55N 67.205,22.7 r180 bottom (schematic designator C9)
C9_23 "100pF" CAPC1005X55N 159.9,38.7 r0 bottom (schematic designator C9)
C9_24 "100pF" CAPC1005X55N 81.69,71.27 r180 bottom (schematic designator C9)
C9_25 "100pF" CAPC1005X55N 159.89,53.73 r0 bottom (schematic designator C9)
C9_26 "100pF" CAPC1005X55N 75.13,87.1 r180 bottom (schematic designator C9)
C9_27 "100pF" CAPC1005X55N 43.205,-10.9 r180 bottom (schematic designator C9)
C9_28 "100pF" CAPC1005X55N 55.205,-10.9 r180 bottom (schematic designator C9)
C9_29 "100pF" CAPC1005X55N 67.205,-10.9 r180 bottom (schematic designator C9)
C9_30 "100pF" CAPC1005X55N 67.205,-19.3 r180 bottom (schematic designator C9)
C9_31 "100pF" CAPC1005X55N 55.205,-19.3 r180 bottom (schematic designator C9)
C9_32 "100pF" CAPC1005X55N 67.205,-27.7 r180 bottom (schematic designator C9)
C9_33 "100pF" CAPC1005X55N 55.205,-27.7 r180 bottom (schematic designator C9)
C9_34 "100pF" CAPC1005X55N 43.21,-27.73 r180 bottom (schematic designator C9)
C9_35 "100pF" CAPC1005X55N 43.205,-19.3 r180 bottom (schematic designator C9)
C10_1 "100pF" CAPC1005X55N 167.05,7.4 r0 bottom (schematic designator C10)
C10_2 "100pF" CAPC1005X55N 167.045,22.4 r0 bottom (schematic designator C10)
C10_3 "100pF" CAPC1005X55N 36.055,15.6 r180 bottom (schematic designator C10)
C10_4 "100pF" CAPC1005X55N 48.055,15.6 r180 bottom (schematic designator C10)
C10_5 "100pF" CAPC1005X55N 60.055,15.6 r180 bottom (schematic designator C10)
C10_6 "100pF" CAPC1005X55N 48.055,7.2 r180 bottom (schematic designator C10)
C10_7 "100pF" CAPC1005X55N 36.055,7.2 r180 bottom (schematic designator C10)
C10_8 "100pF" CAPC1005X55N 60.055,7.2 r180 bottom (schematic designator C10)
C10_9 "100pF" CAPC1005X55N 36.055,-1.2 r180 bottom (schematic designator C10)
C10_10 "100pF" CAPC1005X55N 60.055,-1.2 r180 bottom (schematic designator C10)
C10_11 "100pF" CAPC1005X55N 48.055,-1.2 r180 bottom (schematic designator C10)
C10_12 "100pF" CAPC1005X55N 167.045,-7.6 r0 bottom (schematic designator C10)
C10_13 "100pF" CAPC1005X55N 167.05,-22.6 r0 bottom (schematic designator C10)
C10_14 "100pF" CAPC1005X55N 36.055,40.8 r180 bottom (schematic designator C10)
C10_15 "100pF" CAPC1005X55N 48.055,40.8 r180 bottom (schematic designator C10)
C10_16 "100pF" CAPC1005X55N 36.055,32.4 r180 bottom (schematic designator C10)
C10_17 "100pF" CAPC1005X55N 60.055,40.8 r180 bottom (schematic designator C10)
C10_18 "100pF" CAPC1005X55N 48.055,32.4 r180 bottom (schematic designator C10)
C10_19 "100pF" CAPC1005X55N 60.055,32.4 r180 bottom (schematic designator C10)
C10_20 "100pF" CAPC1005X55N 48.055,24 r180 bottom (schematic designator C10)
C10_21 "100pF" CAPC1005X55N 36.055,24 r180 bottom (schematic designator C10)
C10_22 "100pF" CAPC1005X55N 60.055,24 r180 bottom (schematic designator C10)
C10_23 "100pF" CAPC1005X55N 167.05,37.4 r0 bottom (schematic designator C10)
C10_24 "100pF" CAPC1005X55N 74.54,72.57 r180 bottom (schematic designator C10)
C10_25 "100pF" CAPC1005X55N 167.04,52.43 r0 bottom (schematic designator C10)
C10_26 "100pF" CAPC1005X55N 67.98,88.4 r180 bottom (schematic designator C10)
C10_27 "100pF" CAPC1005X55N 36.055,-9.6 r180 bottom (schematic designator C10)
C10_28 "100pF" CAPC1005X55N 48.055,-9.6 r180 bottom (schematic designator C10)
C10_29 "100pF" CAPC1005X55N 60.055,-9.6 r180 bottom (schematic designator C10)
C10_30 "100pF" CAPC1005X55N 60.055,-18 r180 bottom (schematic designator C10)
C10_31 "100pF" CAPC1005X55N 48.055,-18 r180 bottom (schematic designator C10)
C10_32 "100pF" CAPC1005X55N 60.055,-26.4 r180 bottom (schematic designator C10)
C10_33 "100pF" CAPC1005X55N 48.055,-26.4 r180 bottom (schematic designator C10)
C10_34 "100pF" CAPC1005X55N 36.06,-26.43 r180 bottom (schematic designator C10)
C10_35 "100pF" CAPC1005X55N 36.055,-18 r180 bottom (schematic designator C10)
C11_1 "10nF" CAPC1005X55N 90.75,36 r0 bottom (schematic designator C11)